# Altium PCB PCB2.PcbDoc
Units mm, origin at the board's own origin, x right, y up, seen from the top; angles counter-clockwise.
Board outline 81.84 x 40.39 mm, 4 copper layers (Top Layer, Int1 (GND), Int2 (PWR), Bottom Layer), stack 1.369 mm thick; 78 components, 76 nets, 259 pads, 215 vias.
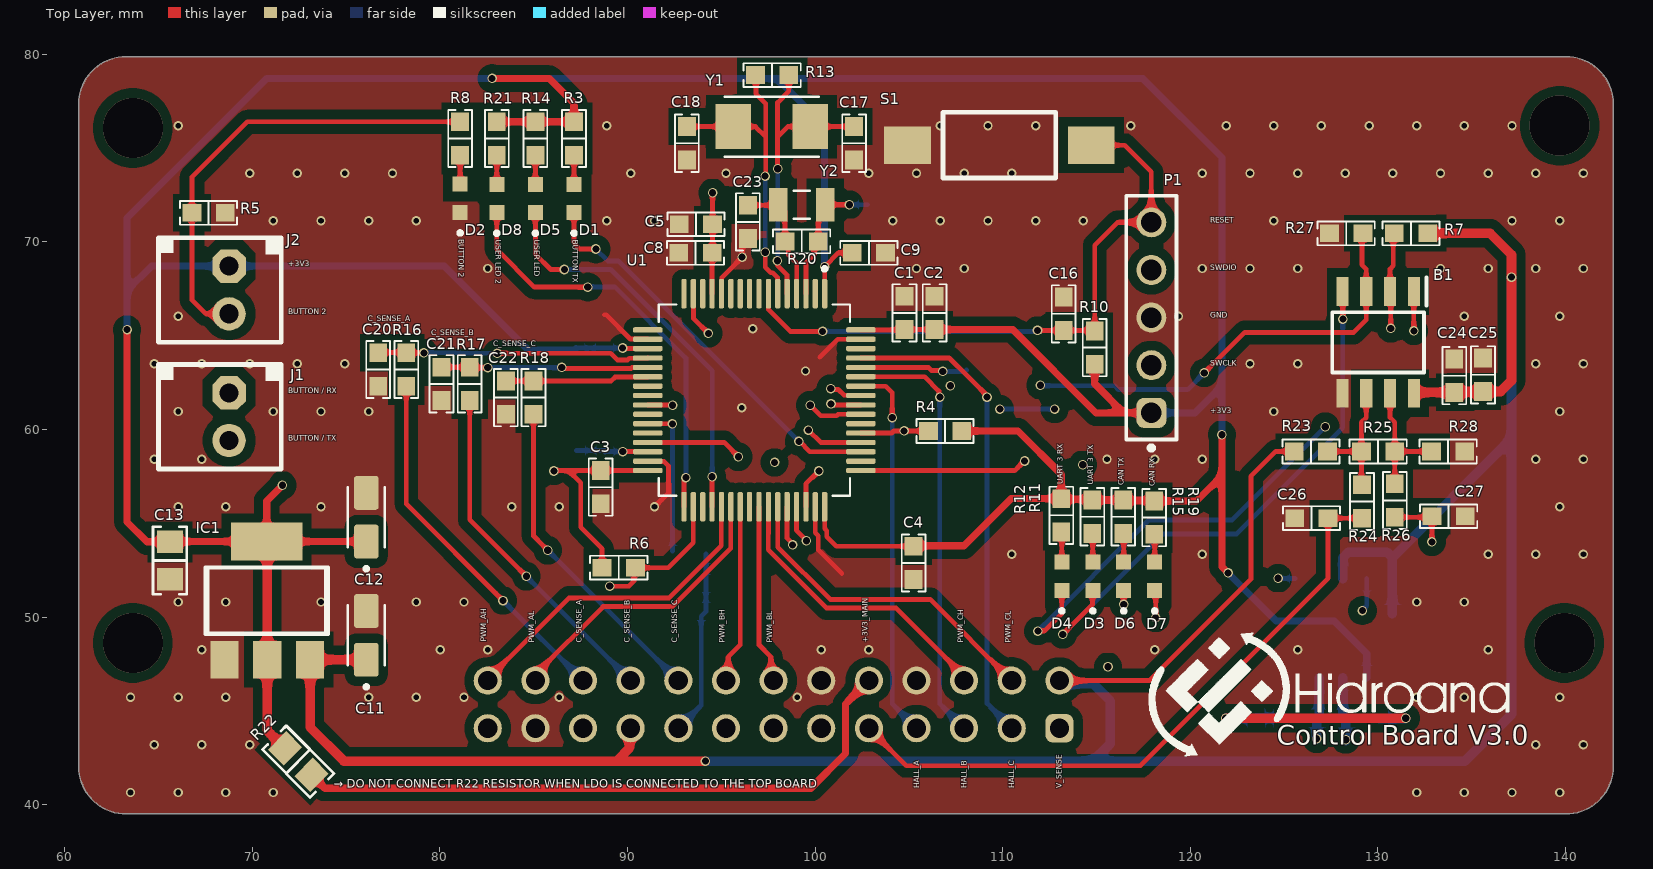
[diagram p0: Top Layer view]
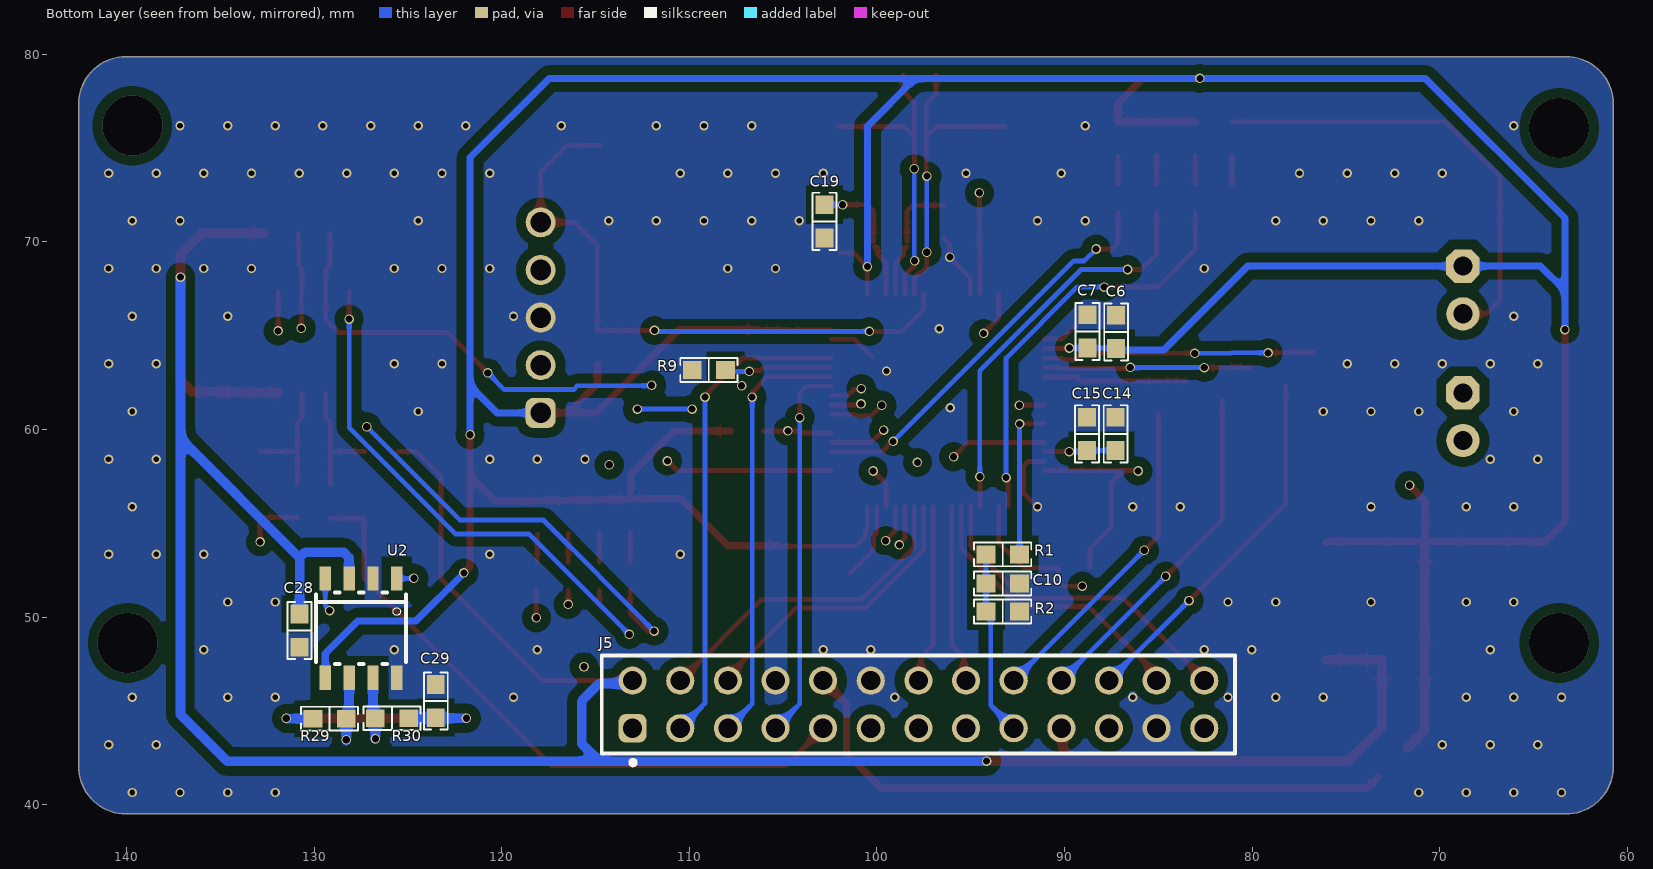
[diagram p1: Bottom Layer view, seen from below]
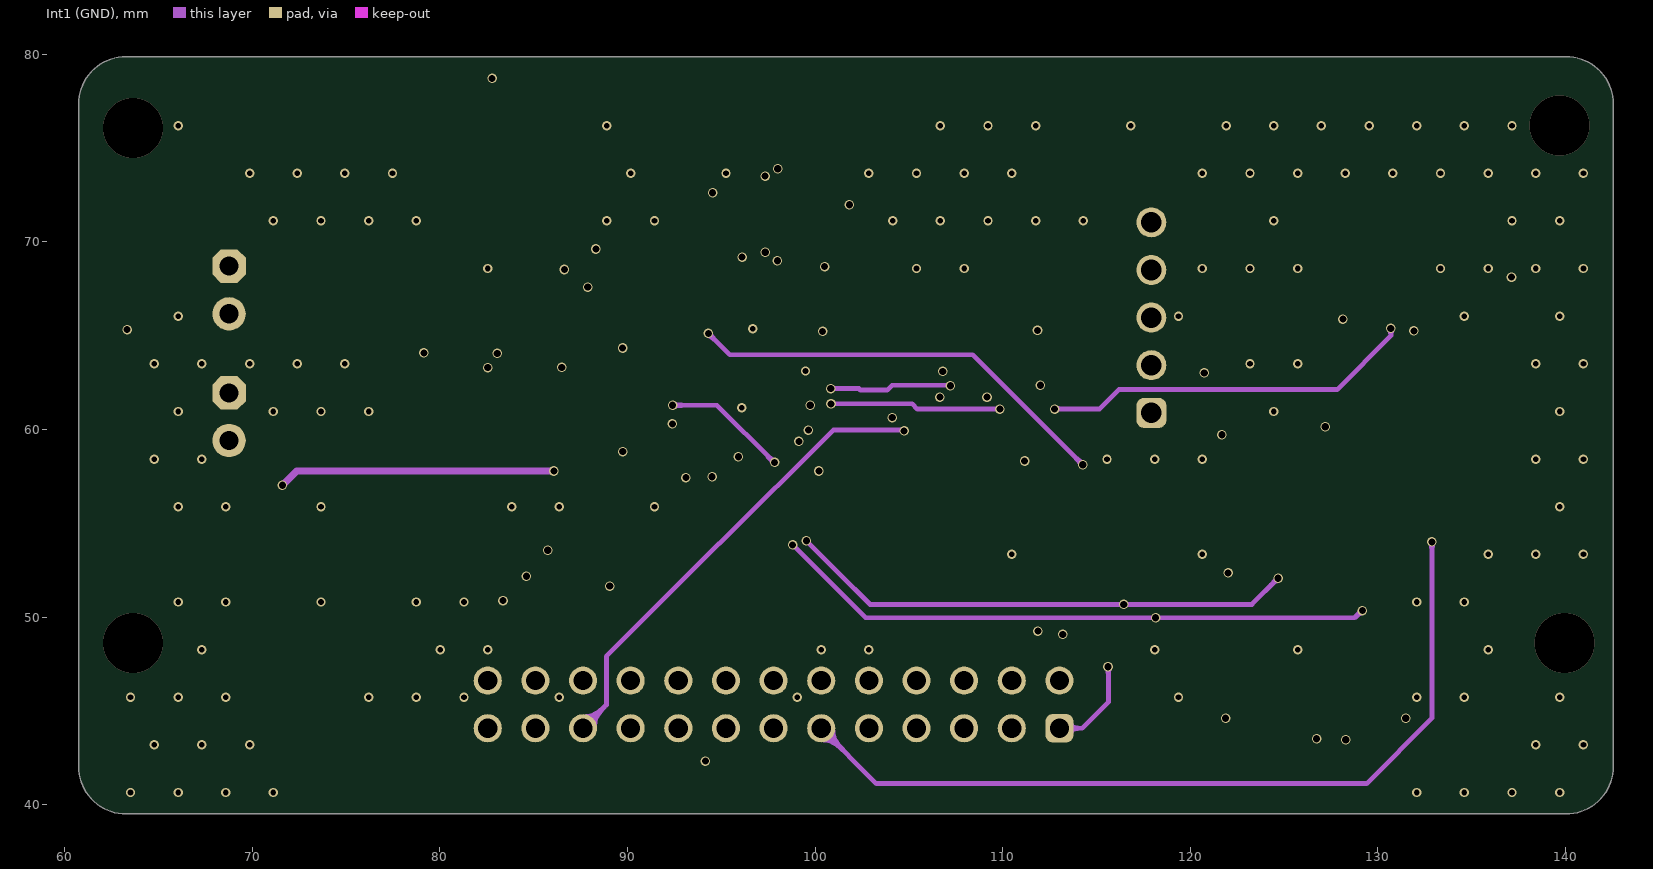
[diagram p2: Int1 (GND)]
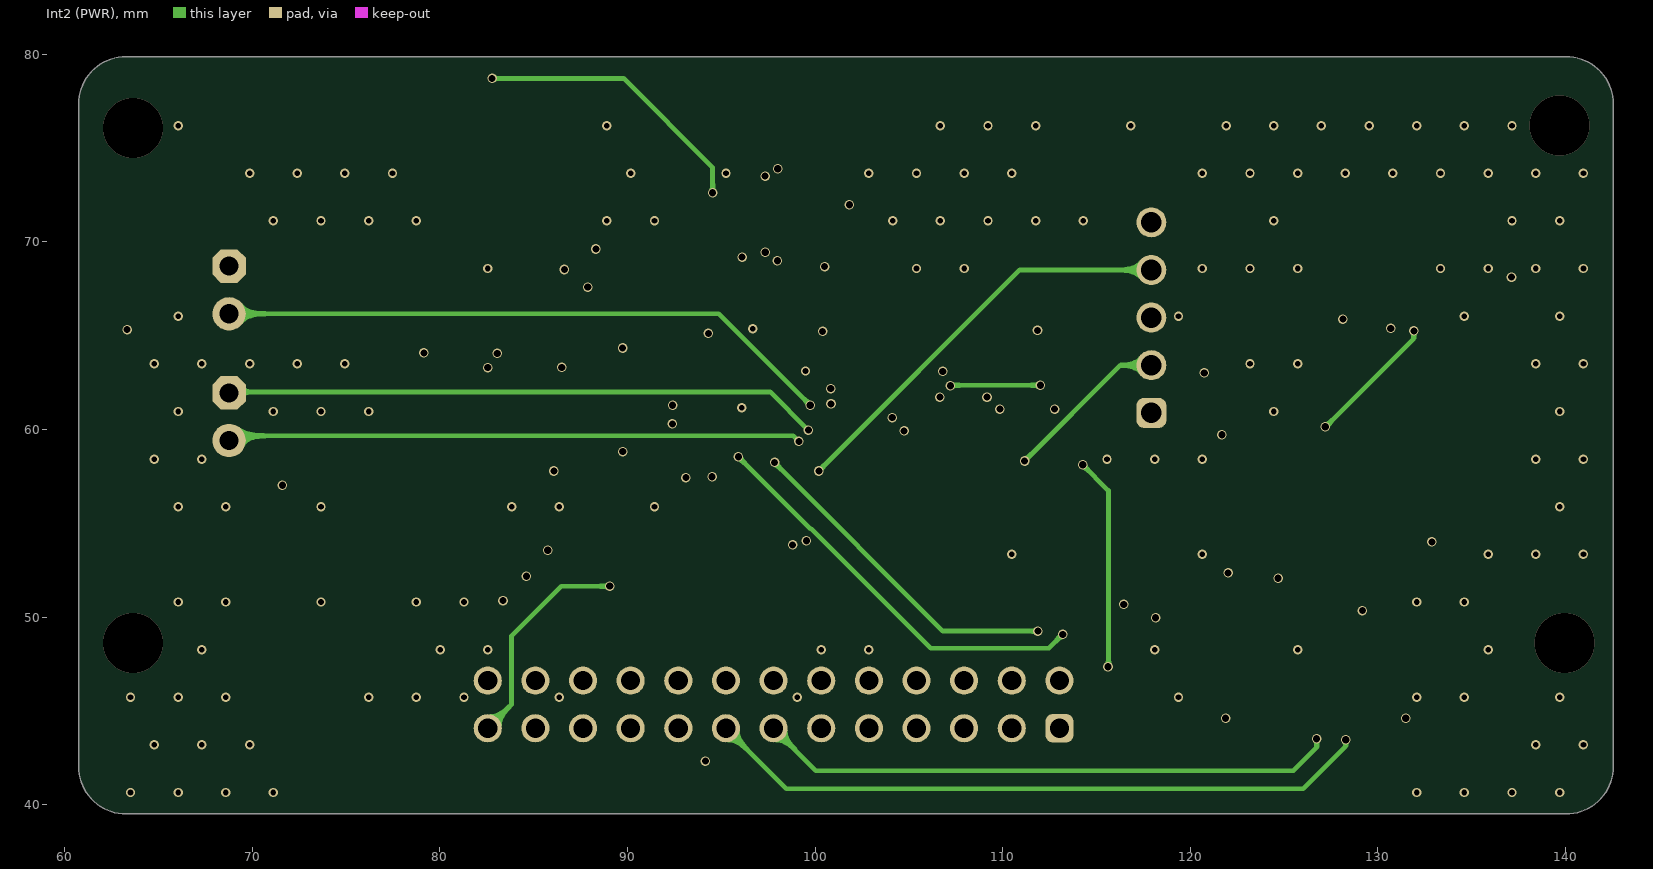
[diagram p3: Int2 (PWR)]
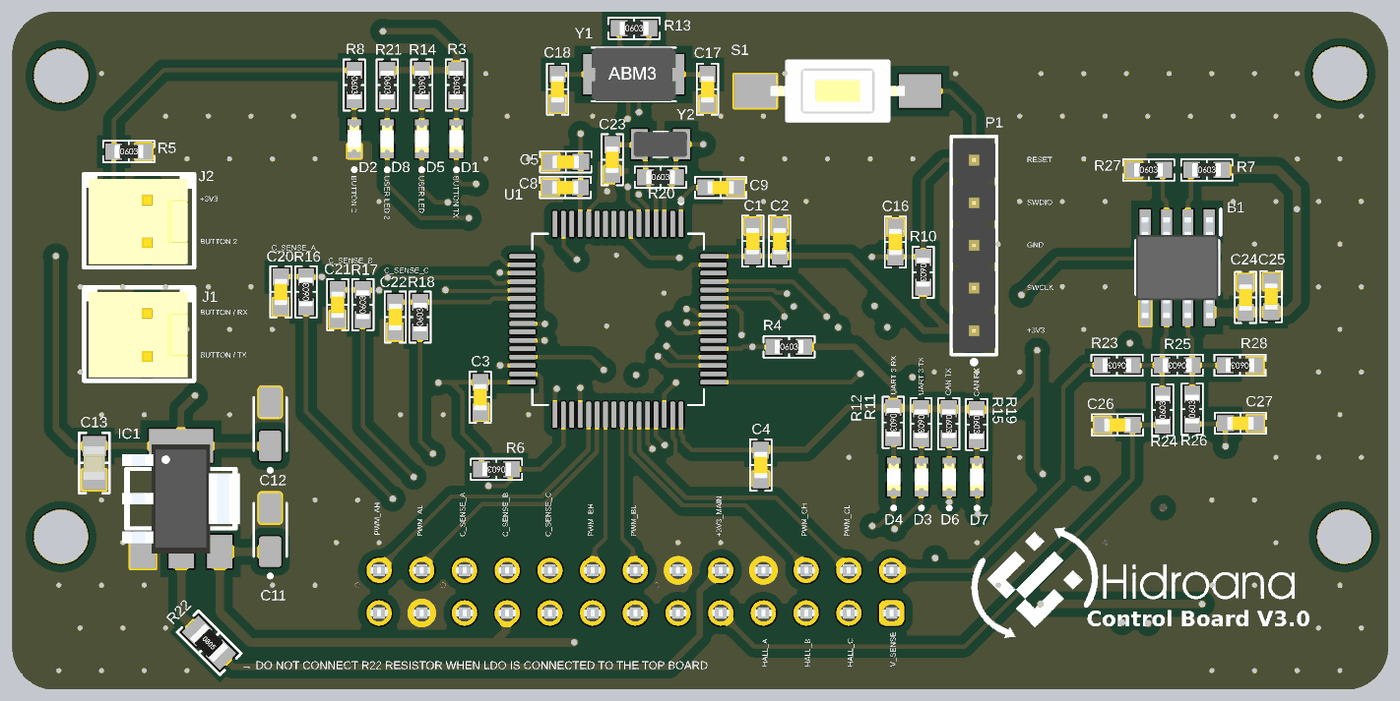
[diagram p4: 3D render of the assembled board from above, using the file's embedded part models]
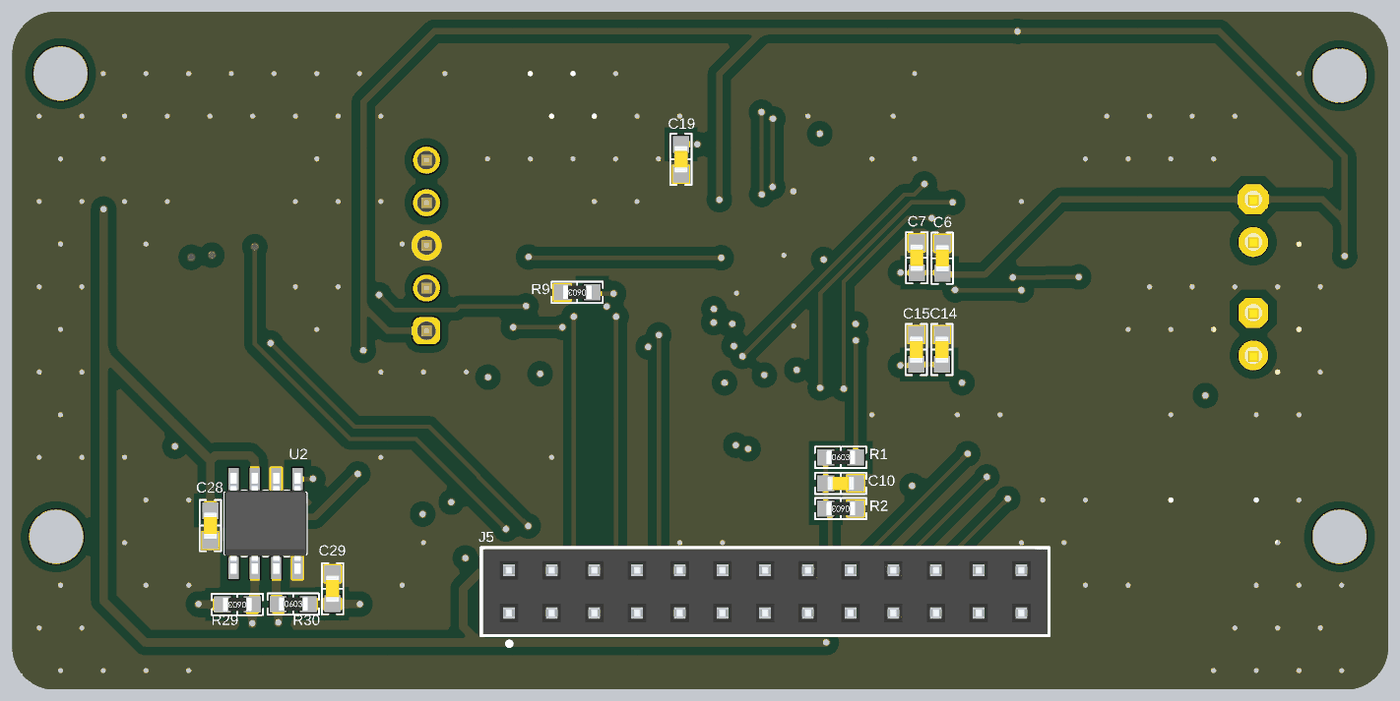
[diagram p5: 3D render of the assembled board from below, using the file's embedded part models]

## Layer stack, top to bottom
Top Solder: solder mask 0.0254, SM-001, Dk 4
Top Layer: signal copper 0.035
Dielectric 1: prepreg 0.1295, PP-017, Dk 4.3
Dielectric 2: prepreg 0.1295, PP-017, Dk 4.3
Int1 (GND): signal copper 0.035
Dielectric 3: core 0.7112, Core-039, Dk 4.8
Int2 (PWR): signal copper 0.035
Dielectric 4: prepreg 0.1295, PP-017, Dk 4.3
Dielectric 5: prepreg 0.1295, PP-017, Dk 4.3
Bottom Layer: signal copper 0.035
Bottom Solder: solder mask 0.0254, SM-001, Dk 4

## Board outline
60.731,42.037 60.731,77.343 cw(c63.271,77.343) 63.271,79.883 140.03,79.883 cw(c140.03,77.343) 142.57,77.343 142.57,42.037 cw(c140.03,42.037) 140.03,39.497 63.271,39.497 cw(c63.271,42.037)

## Design rules (kind name [scope] priority, off if disabled: settings)
Clearance [All] p1: gap=0.508 ignorepadtopadclearanceinfootprint=FALSE except(0: Arc-Hole Track-Hole SMDPad-Hole THPad-Hole Via-Hole Fill-Hole Poly-Hole Region-Hole Text-Hole; 0.203: Arc-Arc Arc-Track Arc-SMDPad Track-Track Track-SMDPad SMDPad-SMDPad; 0.254: Arc-THPad Arc-Via Arc-Text Track-THPad Track-Via Track-Text SMDPad-THPad SMDPad-Via SMDPad-Text THPad-THPad THPad-Via THPad-Text Via-Via Via-Text Fill-Text Poly-Text Region-Text Text-Text)
HoleSize [All] p1: absolutevalues=TRUE maxlimit=7.62 minlimit=0.025 maxpercent=80.000 minpercent=20.000
HoleToHoleClearance [All] p1: gap=0.025 allowstackedmicrovias=TRUE
MinimumSolderMaskSliver [All] p1: minsoldermaskwidth=0.013
PlaneConnect [All] p1: planeconnectstyle=Direct reliefexpansion=0.508 reliefentries=4 reliefconductorwidth=0.254 reliefairgap=0.254
PolygonConnect [All] p1: connectstyle=Direct reliefconductorwidth=0.254 reliefentries=4 polygonreliefangle="90 Angle" airgapwidth=0.254
RoutingVias [All] p1: holewidth=0.203 width=0.254 viastyle="Through Hole" minholewidth=0.127 minwidth=0.127 maxholewidth=0.711 maxwidth=1.27
SilkToSilkClearance [All] p1: silktosilkclearance=0.025
SilkToSolderMaskClearance [IsPad] p1: minsilkscreentomaskgap=0.025 clearancetoexposedcopper=TRUE
SolderMaskExpansion [All] p1: expansion=0.102 istentingtop=FALSE
SupplyNets "Schematic Supply Nets_2" [InNet('GND')] p1: voltage=0.000
SupplyNets "Schematic Supply Nets_1" [InNet('+3V3')] p2: voltage=0.000
SupplyNets "Schematic Supply Nets" [InNet('+5')] p3: voltage=0.000
Width [All] p1: maxlimit=0.762 minlimit=0.254 preferedwidth=0.254 minimp=50.000000 maximp=50.000000 favimp=50.000000
24 further rules are at their usual default settings.

## Components (designator, comment, footprint, x,y, rotation, side; value= is the part's Value field where it differs from the comment)
B1 "ADM485ARZ-REEL" SOIC127P600X175-8N 130.023,64.643 r270 top
C1 "100nF" 0603_CAP 104.775,66.218 r90 top value="1uF 16V"
C2 "100nF" 0603_CAP 106.375,66.218 r90 top value="1uF 16V"
C3 "100nF" 0603_CAP 88.57,56.921 r270 top value="1uF 16V"
C4 "100nF" 0603_CAP 105.258,52.883 r270 top value="1uF 16V"
C5 "4.7uF" 0603_CAP 93.65,70.942 r180 top value="1uF 16V"
C6 "100nF" 0603_CAP 87.249,65.202 r90 bottom value="1uF 16V"
C7 "1uF" 0603_CAP 88.773,65.227 r90 bottom value="1uF 16V"
C8 "100nF" 0603_CAP 93.624,69.418 r180 top value="1uF 16V"
C9 "100nF" 0603_CAP 102.87,69.418 r0 top value="1uF 16V"
C10 "10nF" 0603_CAP 93.294,51.791 r180 bottom value="100nF 16V"
C11 "TAJA106K016RNJ" CAPMP3216X180N 76.073,49.022 r90 top
C12 "TAJA106K016RNJ" CAPMP3216X180N 76.073,55.321 r90 top
C13 "100nF 16V" 0805_CAP 65.608,53.01 r90 top
C14 "2.2uF" 0603_CAP 87.274,59.766 r90 bottom value="1uF 16V"
C15 "2.2uF" 0603_CAP 88.798,59.766 r90 bottom value="1uF 16V"
C16 "100nF" 0603_CAP 113.259,66.167 r90 top value="1uF 16V"
C17 "20pF" 0603_CAP 102.083,75.26 r90 top value="1uF 16V"
C18 "20pF" 0603_CAP 93.167,75.26 r90 top value="1uF 16V"
C19 "12.5pF" 0603_CAP 102.794,71.095 r90 bottom value="1uF 16V"
C20 "100nF" 0603_CAP 76.708,63.195 r270 top value="1uF 16V"
C21 "100nF" 0603_CAP 80.086,62.433 r270 top value="1uF 16V"
C22 "100nF" 0603_CAP 83.515,61.697 r270 top value="1uF 16V"
C23 "12.5pF" 0603_CAP 96.418,71.069 r90 top value="1uF 16V"
C24 "100nF" 0603_CAP 134.087,62.865 r90 top value="1uF 16V"
C25 "10uF" 0603_CAP 135.611,62.916 r90 top value="1uF 16V"
C26 "100nF" 0603_CAP 126.467,55.27 r0 top value="1uF 16V"
C27 "100nF" 0603_CAP 133.782,55.372 r0 top value="1uF 16V"
C28 "100nF 16V" 0603_CAP 130.785,49.276 r90 bottom
C29 "100nF 16V" 0603_CAP 123.52,45.517 r90 bottom
D1 "SM0603UYC" LED_SM0603UYC 87.147,72.314 r90 top
D2 "SM0603UYC" LED_SM0603UYC 81.077,72.326 r90 top
D3 "SM0603UYC" LED_SM0603UYC 114.808,52.172 r90 top
D4 "SM0603UYC" LED_SM0603UYC 113.157,52.172 r90 top
D5 "SM0603UYC" LED_SM0603UYC 85.09,72.314 r90 top
D6 "SM0603UYC" LED_SM0603UYC 116.459,52.172 r90 top
D7 "SM0603UYC" LED_SM0603UYC 118.11,52.172 r90 top
D8 "SM0603UYC" LED_SM0603UYC 83.033,72.314 r90 top
IC1 "LD1117S33CTR" SOT223 70.764,50.876 r0 top
J1 "DS1070 2 Pin" 2PIN_100mil 68.758,60.681 r270 top
J2 "DS1070 2 Pin" 2PIN_100mil 68.758,67.437 r270 top
J5 "61302621821" 61302621821 97.79,45.339 r180 bottom
P1 "61300511121" 61300511121 117.932,65.964 r90 top
R1 "4.7K" 0603_RES 93.294,53.34 r180 bottom value="0/10 Ohms"
R2 "4.7K" 0603_RES 93.294,50.292 r0 bottom value="0/10 Ohms"
R3 "2k2" 0603_RES 87.147,75.514 r270 top value="0/10 Ohms"
R4 "4.7k" 0603_RES 106.934,59.919 r0 top value="0/10 Ohms"
R5 "4.7K" 0603_RES 67.666,71.552 r0 top value="0/10 Ohms"
R6 "4.7k" 0603_RES 89.535,52.629 r180 top value="0/10 Ohms"
R7 "10k" 0603_RES 131.775,70.46 r0 top value="0/10 Ohms"
R8 "2k2" 0603_RES 81.077,75.514 r270 top value="0/10 Ohms"
R9 "10K" 0603_RES 108.966,63.17 r0 bottom value="0/10 Ohms"
R10 "10k" 0603_RES 114.91,64.364 r270 top value="0/10 Ohms"
R11 "2k2" 0603_RES 114.783,55.347 r270 top value="0/10 Ohms"
R12 "2k2" 0603_RES 113.132,55.423 r270 top value="0/10 Ohms"
R13 "1M" 0603_RES 97.714,78.892 r0 top value="0/10 Ohms"
R14 "2k2" 0603_RES 85.09,75.514 r270 top value="0/10 Ohms"
R15 "2k2" 0603_RES 116.434,55.347 r270 top value="0/10 Ohms"
R16 "2k2" 0603_RES 78.207,63.195 r90 top value="0/10 Ohms"
R17 "2k2" 0603_RES 81.585,62.433 r90 top value="0/10 Ohms"
R18 "2k2" 0603_RES 84.988,61.697 r90 top value="0/10 Ohms"
R19 "2k2" 0603_RES 118.085,55.296 r270 top value="0/10 Ohms"
R20 "1M" 0603_RES 99.289,70.028 r0 top value="0/10 Ohms"
R21 "2k2" 0603_RES 83.033,75.514 r270 top value="0/10 Ohms"
R22 "0 Ohms" 0805_RES 72.441,42.291 r315 top value="1k Ohms"
R23 "1.2k" 0603_RES 126.441,58.826 r180 top value="0/10 Ohms"
R24 "1.2k" 0603_RES 129.159,56.159 r90 top value="0/10 Ohms"
R25 "120" 0603_RES 130.023,58.826 r180 top value="0/10 Ohms"
R26 "1.2k" 0603_RES 130.912,56.21 r90 top value="0/10 Ohms"
R27 "10k" 0603_RES 128.321,70.46 r0 top value="0/10 Ohms"
R28 "1.2k" 0603_RES 133.756,58.826 r180 top value="0/10 Ohms"
R29 "60 Ohms" 0603_RES 129.184,44.577 r0 bottom
R30 "60 Ohms" 0603_RES 125.857,44.602 r180 bottom
S1 "DTSMF-31R-V-T/R" Button 109.83,75.159 r0 top
U1 "STM32F446RET6" QFP50P1200X1200X160-64N 96.762,61.56 r270 top
U2 "TJA1051T/3" SOT96-1 127.508,49.403 r0 bottom
Y1 "ABM3-8.000MHZ-D2Y-T" XTAL_ABM3-8.000MHZ-D2Y-T 97.688,76.149 r0 top
Y2 "CC7V-T1A-32.768KHZ-9PF-20PPM-TA-QC" XTAL_CC7V-T1A-32.768KHZ-9PF-20PPM-TA-QC 99.289,71.984 r0 top
